# Altium PCB GE21_M1_pku_f100.PcbDoc (part 5 of 19)
Units mm, origin at the board's own origin, x right, y up, seen from the top; angles counter-clockwise.
Board outline 423.9 x 668.59 mm, 8 copper layers (Top Layer, Signal 1, DGNG1, POWER, AGND, DGND2, Signal 2, Bottom Layer), stack 1.03 mm thick; 171 components, 336 nets, 2040 pads, 4872 vias.
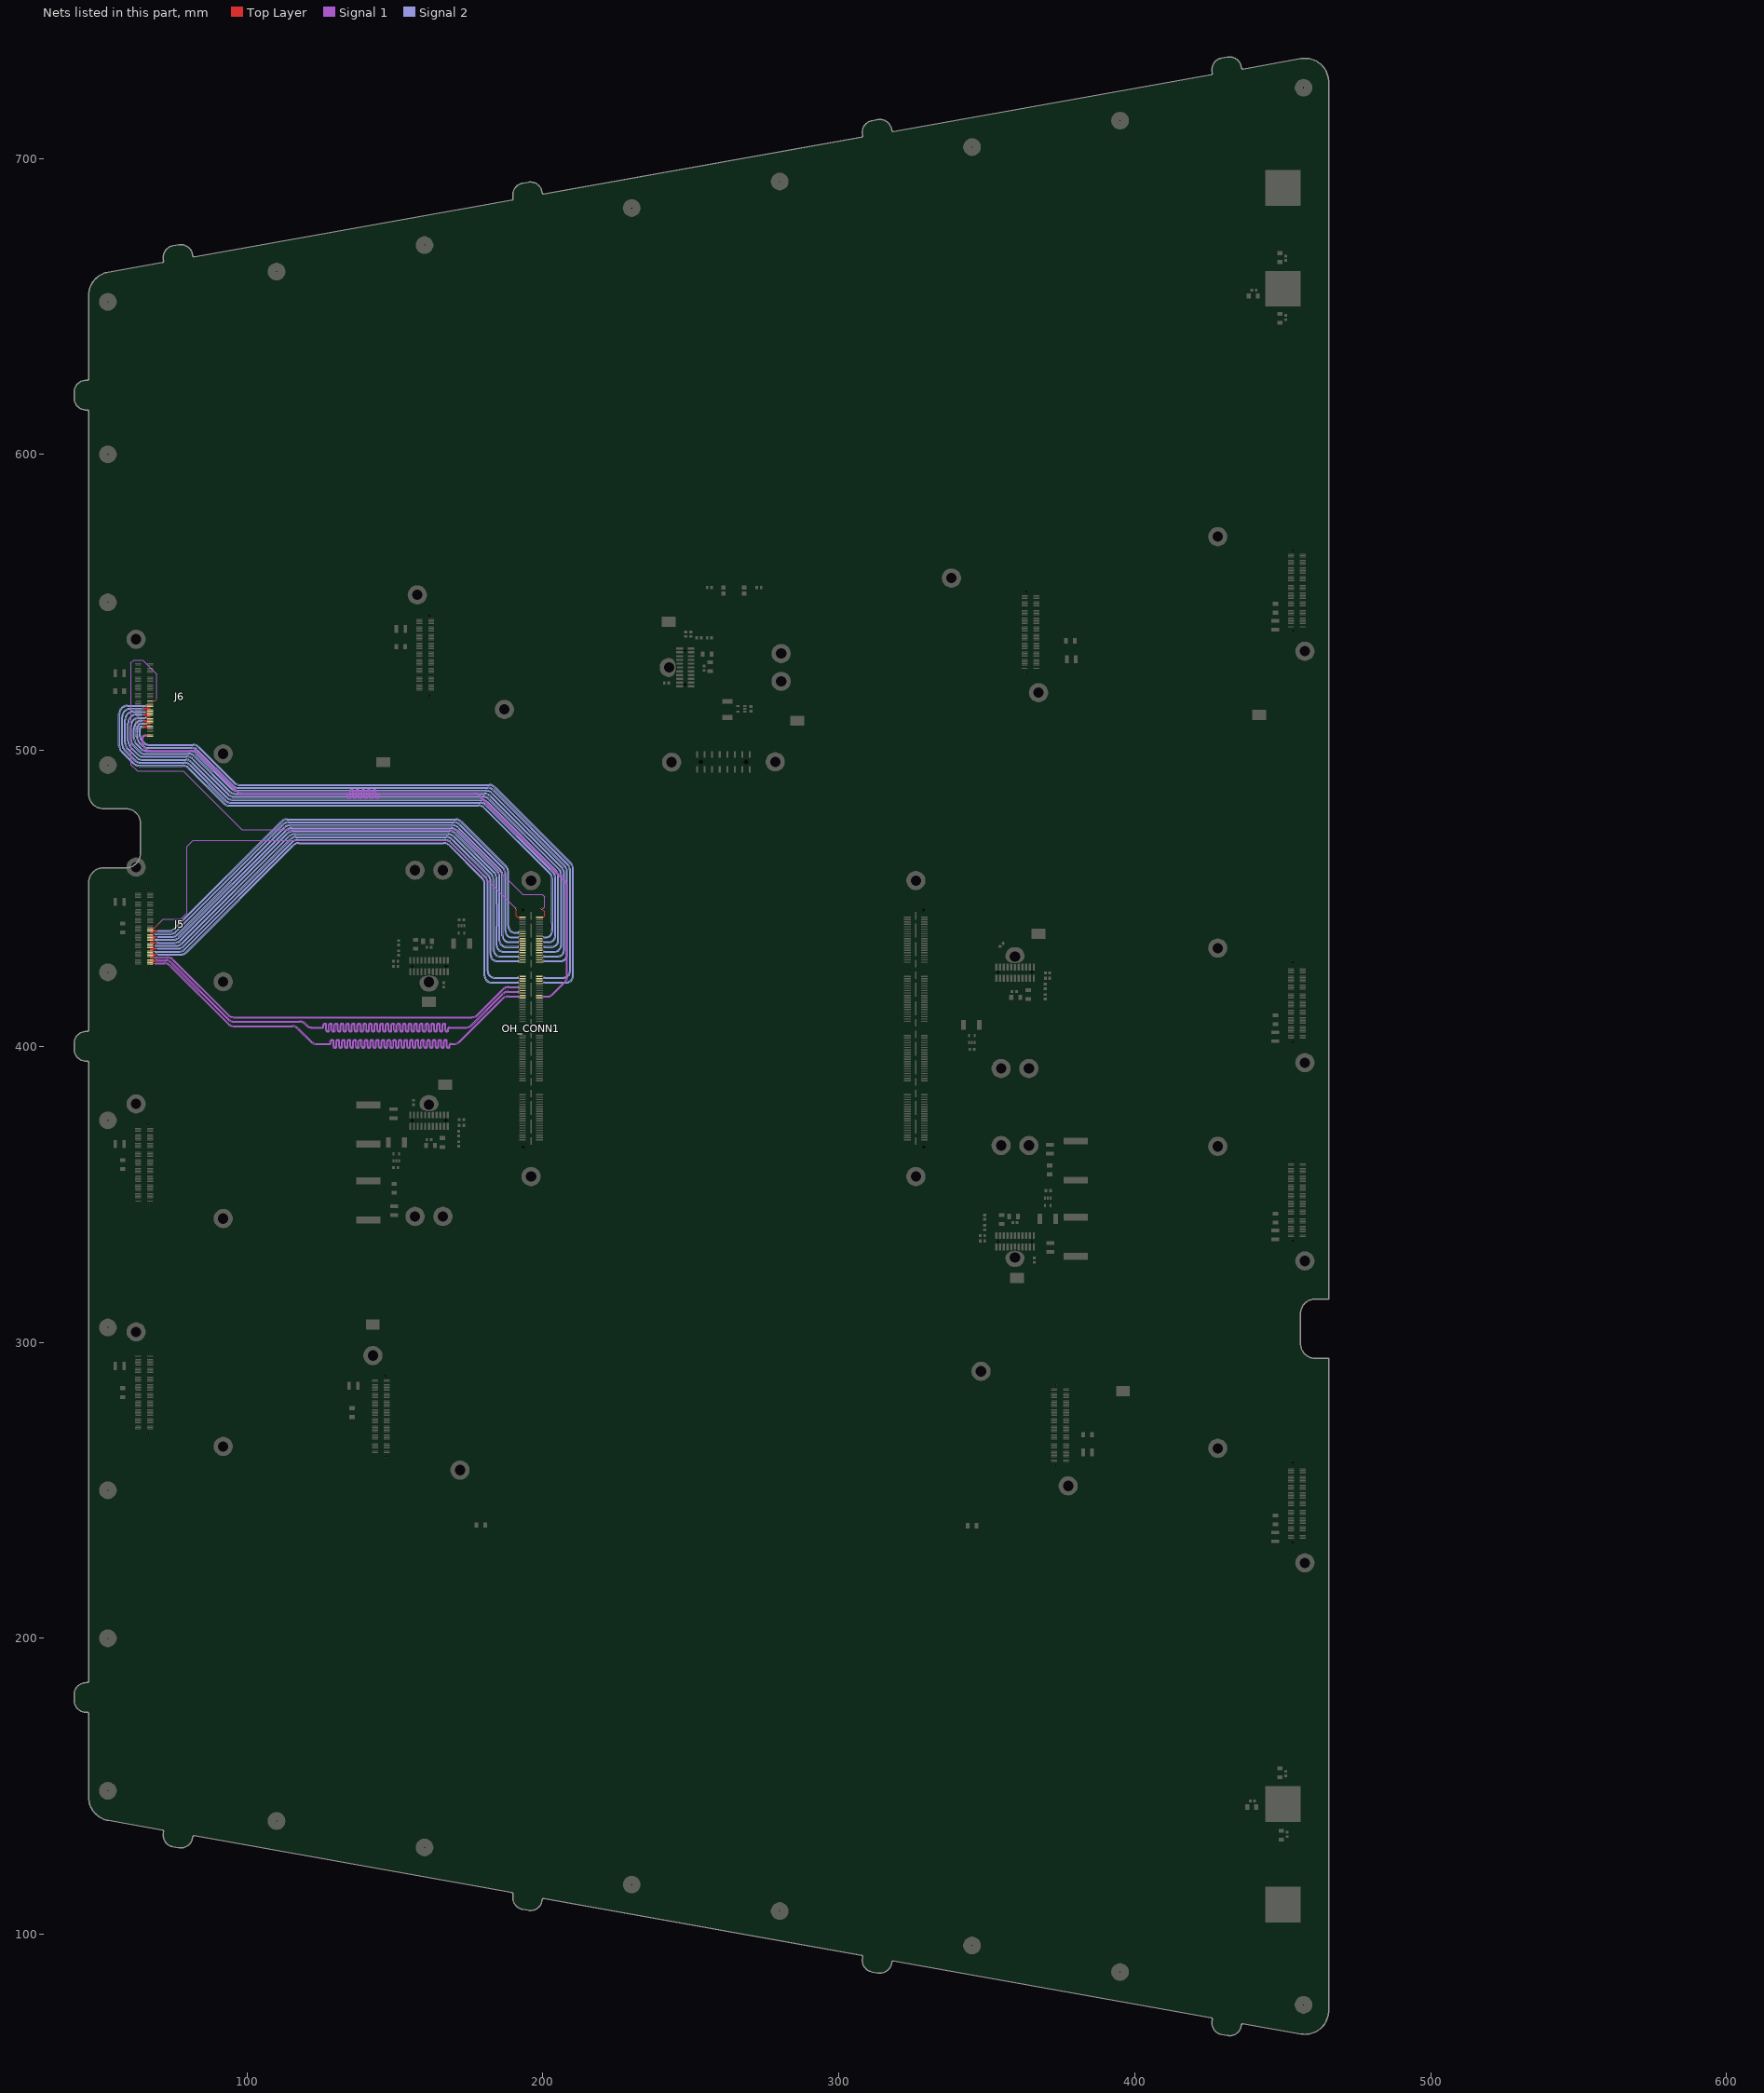
[diagram p11: the nets of this part, all layers, seen from the top]

## Via types
v1: diameter 0.508, hole 0.203, Top Layer to Bottom Layer, tented both sides, 1688 vias
v2: diameter 0.402/0.402/0.402/0.201 (per signal layer), hole 0.201, Top Layer to Bottom Layer, tented both sides, 1040 vias
v3: diameter 0.507, hole 0.202, Top Layer to Bottom Layer, tented both sides, 780 vias
v4: diameter 0.4, hole 0, Top Layer to Bottom Layer, tented both sides, 438 vias
v5: diameter 0.4, hole 0.2, Top Layer to Bottom Layer, tented both sides, 288 vias
v6: diameter 0.51, hole 0.204, Top Layer to Bottom Layer, tented both sides, 288 vias
v7: diameter 0.6/0.4/0.4/0.4 (per signal layer), hole 0.3, Top Layer to Bottom Layer, tented both sides, 254 vias
v8: diameter 0.402, hole 0.201, Top Layer to Bottom Layer, tented both sides, 96 vias

## Nets (pads, with @x,y where several pads share a name; then routed paths per layer and width w, separated by ;. In a path a pad name is that pad's centre, name@x,y a point inside that pad or via, vN(x,y) a via of type N, cw(c..) or ccw(c..) an arc to the next point about the centre after c; other vN are vias at no path point) (continued)
J5CLK_N: J5.100 OH_CONN1.60 | length 234.6
  Top Layer w0.115: v4@68.45,427.75 v5(68.5,427.7)
  Top Layer w0.25: J5.100@67.25,427.75 v4@68.45,427.75
  Signal 1 w0.115: v5(68.5,427.7) cw(c68.802,427.398) 68.802,427.825 72.123,427.825 cw(c72.123,425.285) 73.919,427.081 93.504,407.496 ccw(c95.547,409.54) 95.547,406.65 115.298,406.65 cw(c115.298,404.11) 117.094,405.906 121.504,401.496 ccw(c123.547,403.54) 123.547,400.65 127.902,400.65 ccw(c127.902,401.208) 128.46,401.208 128.46,401.712 cw(c128.668,401.712) 128.668,401.92 128.86,401.92 cw(c128.86,401.712) 129.068,401.712 129.068,399.938 ccw(c129.626,399.938) 129.626,399.38 129.818,399.38 ccw(c129.818,399.938) 130.376,399.938 130.376,401.712 cw(c130.584,401.712) 130.584,401.92 130.776,401.92 cw(c130.776,401.712) 130.984,401.712 130.984,399.938 ccw(c131.542,399.938) 131.542,399.38 131.734,399.38 ccw(c131.734,399.938) 132.292,399.938 132.292,401.712 cw(c132.5,401.712) 132.5,401.92 132.692,401.92 cw(c132.692,401.712) 132.9,401.712 132.9,399.938 ccw(c133.458,399.938) 133.458,399.38 133.65,399.38 ccw(c133.65,399.938) 134.208,399.938 134.208,401.712 cw(c134.416,401.712) 134.416,401.92 134.608,401.92 cw(c134.608,401.712) 134.816,401.712 134.816,399.938 ccw(c135.374,399.938) 135.374,399.38 135.566,399.38 ccw(c135.566,399.938) 136.124,399.938 136.124,401.712 cw(c136.332,401.712) 136.332,401.92 136.524,401.92 cw(c136.524,401.712) 136.732,401.712 136.732,399.938 ccw(c137.29,399.938) 137.29,399.38 137.482,399.38 ccw(c137.482,399.938) 138.04,399.938 138.04,401.712 cw(c138.248,401.712) 138.248,401.92 138.44,401.92 cw(c138.44,401.712) 138.648,401.712 138.648,399.938 ccw(c139.206,399.938) 139.206,399.38 139.398,399.38 ccw(c139.398,399.938) 139.956,399.938 139.956,401.712 cw(c140.164,401.712) 140.164,401.92 140.356,401.92 cw(c140.356,401.712) 140.564,401.712 140.564,399.938 ccw(c141.122,399.938) 141.122,399.38 141.314,399.38 ccw(c141.314,399.938) 141.872,399.938 141.872,401.712 cw(c142.08,401.712) 142.08,401.92 142.272,401.92 cw(c142.272,401.712) 142.48,401.712 142.48,399.938 ccw(c143.038,399.938) 143.038,399.38 143.23,399.38 ccw(c143.23,399.938) 143.788,399.938 143.788,401.712 cw(c143.996,401.712) 143.996,401.92 144.188,401.92 cw(c144.188,401.712) 144.396,401.712 144.396,399.938 ccw(c144.954,399.938) 144.954,399.38 145.146,399.38 ccw(c145.146,399.938) 145.704,399.938 145.704,401.712 cw(c145.912,401.712) 145.912,401.92 146.104,401.92 cw(c146.104,401.712) 146.312,401.712 146.312,399.938 ccw(c146.87,399.938) 146.87,399.38 147.062,399.38 ccw(c147.062,399.938) 147.62,399.938 147.62,401.712 cw(c147.828,401.712) 147.828,401.92 148.02,401.92 cw(c148.02,401.712) 148.228,401.712 148.228,399.938 ccw(c148.786,399.938) 148.786,399.38 148.978,399.38 ccw(c148.978,399.938) 149.536,399.938 149.536,401.712 cw(c149.744,401.712) 149.744,401.92 149.936,401.92 cw(c149.936,401.712) 150.144,401.712 150.144,399.938 ccw(c150.702,399.938) 150.702,399.38 150.894,399.38 ccw(c150.894,399.938) 151.452,399.938 151.452,401.712 cw(c151.66,401.712) 151.66,401.92 151.852,401.92 cw(c151.852,401.712) 152.06,401.712 152.06,399.938 ccw(c152.618,399.938) 152.618,399.38 152.81,399.38 ccw(c152.81,399.938) 153.368,399.938 153.368,401.712 cw(c153.576,401.712) 153.576,401.92 153.768,401.92 cw(c153.768,401.712) 153.976,401.712 153.976,399.938 ccw(c154.534,399.938) 154.534,399.38 154.726,399.38 ccw(c154.726,399.938) 155.284,399.938 155.284,401.712 cw(c155.492,401.712) 155.492,401.92 155.684,401.92 cw(c155.684,401.712) 155.892,401.712 155.892,399.938 ccw(c156.45,399.938) 156.45,399.38 156.642,399.38 ccw(c156.642,399.938) 157.2,399.938 157.2,401.712 cw(c157.408,401.712) 157.408,401.92 157.6,401.92 cw(c157.6,401.712) 157.808,401.712 157.808,399.938 ccw(c158.366,399.938) 158.366,399.38 158.558,399.38 ccw(c158.558,399.938) 159.116,399.938 159.116,401.712 cw(c159.324,401.712) 159.324,401.92 159.516,401.92 cw(c159.516,401.712) 159.724,401.712 159.724,399.938 ccw(c160.282,399.938) 160.282,399.38 160.474,399.38 ccw(c160.474,399.938) 161.032,399.938 161.032,401.712 cw(c161.24,401.712) 161.24,401.92 161.432,401.92 cw(c161.432,401.712) 161.64,401.712 161.64,399.938 ccw(c162.198,399.938) 162.198,399.38 162.39,399.38 ccw(c162.39,399.938) 162.948,399.938 162.948,401.712 cw(c163.156,401.712) 163.156,401.92 163.348,401.92 cw(c163.348,401.712) 163.556,401.712 163.556,399.938 ccw(c164.114,399.938) 164.114,399.38 164.306,399.38 ccw(c164.306,399.938) 164.864,399.938 164.864,401.712 cw(c165.072,401.712) 165.072,401.92 165.264,401.92 cw(c165.264,401.712) 165.472,401.712 165.472,399.938 ccw(c166.03,399.938) 166.03,399.38 166.222,399.38 ccw(c166.222,399.938) 166.78,399.938 166.78,401.712 cw(c166.988,401.712) 166.988,401.92 167.18,401.92 cw(c167.18,401.712) 167.388,401.712 167.388,399.938 ccw(c167.946,399.938) 167.946,399.38 168.138,399.38 ccw(c168.138,399.938) 168.696,399.938 168.696,400.442 cw(c168.904,400.442) 168.904,400.65 169.948,400.65 ccw(c169.948,403.54) 171.991,401.496 186.376,415.881 cw(c188.172,414.085) 188.172,416.625 191.457,416.625 cw(c191.457,415.857) v6(192,416.4)
  other v4: 68.57,427.7
J5CLK_P: J5.98 OH_CONN1.58 | length 234.6
  Top Layer w0.115: v4@68.45,428.25 v5(68.5,428.3)
  Top Layer w0.25: J5.98@67.25,428.25 v4@68.45,428.25
  Signal 1 w0.115: v5(68.5,428.3) ccw(c68.802,428.602) 68.802,428.175 72.123,428.175 cw(c72.123,425.285) 74.166,427.329 93.751,407.744 ccw(c95.547,409.54) 95.547,407 115.298,407 cw(c115.298,404.11) 117.341,406.154 121.751,401.744 ccw(c123.547,403.54) 123.547,401 125,401 127.902,401 ccw(c127.902,401.208) 128.11,401.208 128.11,401.712 cw(c128.668,401.712) 128.668,402.27 128.86,402.27 cw(c128.86,401.712) 129.418,401.712 129.418,399.938 ccw(c129.626,399.938) 129.626,399.73 129.818,399.73 ccw(c129.818,399.938) 130.026,399.938 130.026,401.712 cw(c130.584,401.712) 130.584,402.27 130.776,402.27 cw(c130.776,401.712) 131.334,401.712 131.334,399.938 ccw(c131.542,399.938) 131.542,399.73 131.734,399.73 ccw(c131.734,399.938) 131.942,399.938 131.942,401.712 cw(c132.5,401.712) 132.5,402.27 132.692,402.27 cw(c132.692,401.712) 133.25,401.712 133.25,399.938 ccw(c133.458,399.938) 133.458,399.73 133.65,399.73 ccw(c133.65,399.938) 133.858,399.938 133.858,401.712 cw(c134.416,401.712) 134.416,402.27 134.608,402.27 cw(c134.608,401.712) 135.166,401.712 135.166,399.938 ccw(c135.374,399.938) 135.374,399.73 135.566,399.73 ccw(c135.566,399.938) 135.774,399.938 135.774,401.712 cw(c136.332,401.712) 136.332,402.27 136.524,402.27 cw(c136.524,401.712) 137.082,401.712 137.082,399.938 ccw(c137.29,399.938) 137.29,399.73 137.482,399.73 ccw(c137.482,399.938) 137.69,399.938 137.69,401.712 cw(c138.248,401.712) 138.248,402.27 138.44,402.27 cw(c138.44,401.712) 138.998,401.712 138.998,399.938 ccw(c139.206,399.938) 139.206,399.73 139.398,399.73 ccw(c139.398,399.938) 139.606,399.938 139.606,401.712 cw(c140.164,401.712) 140.164,402.27 140.356,402.27 cw(c140.356,401.712) 140.914,401.712 140.914,399.938 ccw(c141.122,399.938) 141.122,399.73 141.314,399.73 ccw(c141.314,399.938) 141.522,399.938 141.522,401.712 cw(c142.08,401.712) 142.08,402.27 142.272,402.27 cw(c142.272,401.712) 142.83,401.712 142.83,399.938 ccw(c143.038,399.938) 143.038,399.73 143.23,399.73 ccw(c143.23,399.938) 143.438,399.938 143.438,401.712 cw(c143.996,401.712) 143.996,402.27 144.188,402.27 cw(c144.188,401.712) 144.746,401.712 144.746,399.938 ccw(c144.954,399.938) 144.954,399.73 145.146,399.73 ccw(c145.146,399.938) 145.354,399.938 145.354,401.712 cw(c145.912,401.712) 145.912,402.27 146.104,402.27 cw(c146.104,401.712) 146.662,401.712 146.662,399.938 ccw(c146.87,399.938) 146.87,399.73 147.062,399.73 ccw(c147.062,399.938) 147.27,399.938 147.27,401.712 cw(c147.828,401.712) 147.828,402.27 148.02,402.27 cw(c148.02,401.712) 148.578,401.712 148.578,399.938 ccw(c148.786,399.938) 148.786,399.73 148.978,399.73 ccw(c148.978,399.938) 149.186,399.938 149.186,401.712 cw(c149.744,401.712) 149.744,402.27 149.936,402.27 cw(c149.936,401.712) 150.494,401.712 150.494,399.938 ccw(c150.702,399.938) 150.702,399.73 150.894,399.73 ccw(c150.894,399.938) 151.102,399.938 151.102,401.712 cw(c151.66,401.712) 151.66,402.27 151.852,402.27 cw(c151.852,401.712) 152.41,401.712 152.41,399.938 ccw(c152.618,399.938) 152.618,399.73 152.81,399.73 ccw(c152.81,399.938) 153.018,399.938 153.018,401.712 cw(c153.576,401.712) 153.576,402.27 153.768,402.27 cw(c153.768,401.712) 154.326,401.712 154.326,399.938 ccw(c154.534,399.938) 154.534,399.73 154.726,399.73 ccw(c154.726,399.938) 154.934,399.938 154.934,401.712 cw(c155.492,401.712) 155.492,402.27 155.684,402.27 cw(c155.684,401.712) 156.242,401.712 156.242,399.938 ccw(c156.45,399.938) 156.45,399.73 156.642,399.73 ccw(c156.642,399.938) 156.85,399.938 156.85,401.712 cw(c157.408,401.712) 157.408,402.27 157.6,402.27 cw(c157.6,401.712) 158.158,401.712 158.158,399.938 ccw(c158.366,399.938) 158.366,399.73 158.558,399.73 ccw(c158.558,399.938) 158.766,399.938 158.766,401.712 cw(c159.324,401.712) 159.324,402.27 159.516,402.27 cw(c159.516,401.712) 160.074,401.712 160.074,399.938 ccw(c160.282,399.938) 160.282,399.73 160.474,399.73 ccw(c160.474,399.938) 160.682,399.938 160.682,401.712 cw(c161.24,401.712) 161.24,402.27 161.432,402.27 cw(c161.432,401.712) 161.99,401.712 161.99,399.938 ccw(c162.198,399.938) 162.198,399.73 162.39,399.73 ccw(c162.39,399.938) 162.598,399.938 162.598,401.712 cw(c163.156,401.712) 163.156,402.27 163.348,402.27 cw(c163.348,401.712) 163.906,401.712 163.906,399.938 ccw(c164.114,399.938) 164.114,399.73 164.306,399.73 ccw(c164.306,399.938) 164.514,399.938 164.514,401.712 cw(c165.072,401.712) 165.072,402.27 165.264,402.27 cw(c165.264,401.712) 165.822,401.712 165.822,399.938 ccw(c166.03,399.938) 166.03,399.73 166.222,399.73 ccw(c166.222,399.938) 166.43,399.938 166.43,401.712 cw(c166.988,401.712) 166.988,402.27 167.18,402.27 cw(c167.18,401.712) 167.738,401.712 167.738,399.938 ccw(c167.946,399.938) 167.946,399.73 168.138,399.73 ccw(c168.138,399.938) 168.346,399.938 168.346,400.442 cw(c168.904,400.442) 168.904,401 169.948,401 ccw(c169.948,403.54) 171.744,401.744 186.129,416.129 cw(c188.172,414.085) 188.172,416.975 191.457,416.975 ccw(c191.457,417.743) v6(192,417.2)
  other v4: 68.57,428.3
J5D1_N: J5.60 OH_CONN1.20 | length 168.4
  Top Layer w0.115: v4@68.45,437.75 v5(68.5,437.7)
  Top Layer w0.25: J5.60@67.25,437.75 v4@68.45,437.75
  Signal 2 w0.115: v5(68.5,437.7) cw(c68.802,437.398) 68.802,437.825 74.128,437.825 ccw(c74.128,440.715) 76.171,438.671 104.5,467 112.256,474.756 cw(c114.052,472.96) 114.052,475.5 169.948,475.5 cw(c169.948,472.96) 171.744,474.756 186.406,460.094 cw(c184.61,458.298) 187.15,458.298 187.15,438.975 ccw(c189.5,438.975) 189.5,436.625 191.457,436.625 cw(c191.457,435.857) v6(192,436.4)
  other v4: 68.57,437.7
J5D1_P: J5.58 OH_CONN1.18 | length 168.4
  Top Layer w0.115: v4@68.45,438.25 v5(68.5,438.3)
  Top Layer w0.25: J5.58@67.25,438.25 v4@68.45,438.25
  Signal 2 w0.115: v5(68.5,438.3) ccw(c68.802,438.602) 68.802,438.175 74.128,438.175 ccw(c74.128,440.715) 75.924,438.919 104.253,467.247 112.009,475.004 cw(c114.052,472.96) 114.052,475.85 169.948,475.85 cw(c169.948,472.96) 171.991,475.004 186.654,460.341 cw(c184.61,458.298) 187.5,458.298 187.5,438.975 ccw(c189.5,438.975) 189.5,436.975 191.457,436.975 ccw(c191.457,437.743) v6(192,437.2)
  other v4: 68.57,438.3
J5D2_N: J5.64 OH_CONN1.24 | length 169.4
  Top Layer w0.115: J5.64@67.25,436.75 68.3,436.75 68.375,436.825 69.198,436.825 cw(c69.198,436.398) v5(69.5,436.7)
  Signal 2 w0.115: v5(69.5,436.7) cw(c69.802,436.398) 69.802,436.825 74.628,436.825 ccw(c74.628,439.715) 76.671,437.671 112.756,473.756 cw(c114.552,471.96) 114.552,474.5 169.448,474.5 cw(c169.448,471.96) 171.244,473.756 185.406,459.594 cw(c183.61,457.798) 186.15,457.798 186.15,437.375 ccw(c188.5,437.375) 188.5,435.025 191.457,435.025 cw(c191.457,434.257) v6(192,434.8)
  other v4: 69.43,436.7 69.57,436.7
J5D2_P: J5.62 OH_CONN1.22 | length 169.4
  Top Layer w0.115: J5.62@67.25,437.25 68.3,437.25 68.375,437.175 69.198,437.175 ccw(c69.198,437.602) v5(69.5,437.3)
  Signal 2 w0.115: v5(69.5,437.3) ccw(c69.802,437.602) 69.802,437.175 74.628,437.175 ccw(c74.628,439.715) 76.424,437.919 112.509,474.004 cw(c114.552,471.96) 114.552,474.85 169.448,474.85 cw(c169.448,471.96) 171.491,474.004 185.654,459.841 cw(c183.61,457.798) 186.5,457.798 186.5,437.375 ccw(c188.5,437.375) 188.5,435.375 191.457,435.375 ccw(c191.457,436.143) v6(192,435.6)
  other v4: 69.43,437.3 69.57,437.3
J5D3_N: J5.68 OH_CONN1.28 | length 170.2
  Top Layer w0.115: v4@68.45,435.75 v5(68.5,435.7)
  Top Layer w0.25: J5.68@67.25,435.75 v4@68.45,435.75
  Signal 2 w0.115: v4@68.5,435.7 cw(c68.802,435.398) 68.802,435.825 75.128,435.825 ccw(c75.128,438.715) 77.171,436.671 113.256,472.756 cw(c115.052,470.96) 115.052,473.5 118,473.5 165.5,473.5 168.948,473.5 cw(c168.948,470.96) 170.744,472.756 184.406,459.094 cw(c182.61,457.298) 185.15,457.298 185.15,435.775 ccw(c187.5,435.775) 187.5,433.425 191.457,433.425 cw(c191.457,432.657) v6(192,433.2)
  other v4: 68.57,435.7
J5D3_P: J5.66 OH_CONN1.26 | length 170.2
  Top Layer w0.115: v4@68.45,436.25 v5(68.5,436.3)
  Top Layer w0.25: J5.66@67.25,436.25 v4@68.45,436.25
  Signal 2 w0.115: v5(68.5,436.3) ccw(c68.802,436.602) 68.802,436.175 75.128,436.175 ccw(c75.128,438.715) 76.924,436.919 113.009,473.004 cw(c115.052,470.96) 115.052,473.85 168.948,473.85 cw(c168.948,470.96) 170.991,473.004 184.654,459.341 cw(c182.61,457.298) 185.5,457.298 185.5,435.775 ccw(c187.5,435.775) 187.5,433.775 191.457,433.775 ccw(c191.457,434.543) v6(192,434)
  other v4: 68.57,436.3
J5D4_N: J5.72 OH_CONN1.32 | length 171.1
  Top Layer w0.115: J5.72@67.25,434.75 68.3,434.75 68.375,434.825 69.198,434.825 cw(c69.198,434.398) v5(69.5,434.7)
  Signal 2 w0.115: v5(69.5,434.7) cw(c69.802,434.398) 69.802,434.825 75.628,434.825 ccw(c75.628,437.715) 77.671,435.671 113.756,471.756 cw(c115.552,469.96) 115.552,472.5 168.448,472.5 cw(c168.448,469.96) 170.244,471.756 183.406,458.594 cw(c181.61,456.798) 184.15,456.798 184.15,448 184.15,440.5 184.15,434.175 ccw(c186.5,434.175) 186.5,431.825 191.457,431.825 cw(c191.457,431.057) v6(192,431.6)
  other v4: 69.43,434.7 69.57,434.7
J5D4_P: J5.70 OH_CONN1.30 | length 171.1
  Top Layer w0.115: J5.70@67.25,435.25 68.3,435.25 68.375,435.175 69.198,435.175 ccw(c69.198,435.602) v5(69.5,435.3)
  Signal 2 w0.115: v5(69.5,435.3) ccw(c69.802,435.602) 69.802,435.175 75.628,435.175 ccw(c75.628,437.715) 77.424,435.919 113.509,472.004 cw(c115.552,469.96) 115.552,472.85 168.448,472.85 cw(c168.448,469.96) 170.491,472.004 183.654,458.841 cw(c181.61,456.798) 184.5,456.798 184.5,448 184.5,440.5 184.5,434.175 ccw(c186.5,434.175) 186.5,432.175 191.457,432.175 ccw(c191.457,432.943) v6(192,432.4)
  other v4: 69.43,435.3 69.57,435.3
J5D5_N: J5.76 OH_CONN1.36 | length 172.9
  Top Layer w0.115: v4@68.45,433.75 v5(68.5,433.7)
  Top Layer w0.25: J5.76@67.25,433.75 v4@68.45,433.75
  Signal 2 w0.115: v5(68.5,433.7) cw(c68.802,433.398) 68.802,433.825 76.128,433.825 ccw(c76.128,436.715) 78.171,434.671 114.256,470.756 cw(c116.052,468.96) 116.052,471.5 167.948,471.5 cw(c167.948,468.96) 169.744,470.756 182.406,458.094 cw(c180.61,456.298) 183.15,456.298 183.15,432.575 ccw(c185.5,432.575) 185.5,430.225 189.375,430.225 ; 188.5,430.225 191.457,430.225 cw(c191.457,429.457) v6(192,430)
  other v4: 68.57,433.7
J5D5_P: J5.74 OH_CONN1.34 | length 172.9
  Top Layer w0.115: v4@68.45,434.25 v5(68.5,434.3)
  Top Layer w0.25: J5.74@67.25,434.25 v4@68.45,434.25
  Signal 2 w0.115: v5(68.5,434.3) ccw(c68.802,434.602) 68.802,434.175 76.128,434.175 ccw(c76.128,436.715) 77.924,434.919 114.009,471.004 cw(c116.052,468.96) 116.052,471.85 167.948,471.85 cw(c167.948,468.96) 169.991,471.004 182.654,458.341 cw(c180.61,456.298) 183.5,456.298 183.5,432.575 ccw(c185.5,432.575) 185.5,430.575 189.375,430.575 ; 188.5,430.575 191.457,430.575 ccw(c191.457,431.343) v6(192,430.8)
  other v4: 68.57,434.3
J5D6_N: J5.80 OH_CONN1.40 | length 172.9
  Top Layer w0.115: J5.80@67.25,432.75 68.3,432.75 68.375,432.825 69.198,432.825 cw(c69.198,432.398) v5(69.5,432.7)
  Signal 2 w0.115: v5(69.5,432.7) cw(c69.802,432.398) 69.802,432.825 76.628,432.825 ccw(c76.628,435.715) 78.671,433.671 114.756,469.756 cw(c116.552,467.96) 116.552,470.5 167.448,470.5 cw(c167.448,467.96) 169.244,469.756 180.5,458.5 181.406,457.594 cw(c179.61,455.798) 182.15,455.798 182.15,430.975 ccw(c184.5,430.975) 184.5,428.625 191.457,428.625 cw(c191.457,427.857) v6(192,428.4)
  other v4: 69.43,432.7 69.57,432.7
J5D6_P: J5.78 OH_CONN1.38 | length 172.9
  Top Layer w0.115: J5.78@67.25,433.25 68.3,433.25 68.375,433.175 69.198,433.175 ccw(c69.198,433.602) v5(69.5,433.3)
  Signal 2 w0.115: v5(69.5,433.3) ccw(c69.802,433.602) 69.802,433.175 76.628,433.175 ccw(c76.628,435.715) 78.424,433.919 114.509,470.004 cw(c116.552,467.96) 116.552,470.85 167.448,470.85 cw(c167.448,467.96) 169.491,470.004 181.654,457.841 cw(c179.61,455.798) 182.5,455.798 182.5,430.975 ccw(c184.5,430.975) 184.5,428.975 191.457,428.975 ccw(c191.457,429.743) v6(192,429.2)
  other v4: 69.43,433.3 69.57,433.3
J5D7_N: J5.84 OH_CONN1.44 | length 177.8
  Top Layer w0.115: v4@68.45,431.75 v5(68.5,431.7)
  Top Layer w0.25: J5.84@67.25,431.75 v4@68.45,431.75
  Signal 2 w0.115: v5(68.5,431.7) cw(c68.802,431.398) 68.802,431.825 77.128,431.825 ccw(c77.128,434.715) 79.171,432.671 115.256,468.756 cw(c117.052,466.96) 117.052,469.5 166.948,469.5 cw(c166.948,466.96) 168.744,468.756 180.406,457.094 cw(c178.61,455.298) 181.15,455.298 181.15,425.375 ccw(c183.5,425.375) 183.5,423.025 191.457,423.025 cw(c191.457,422.257) v6(192,422.8)
  other v4: 68.57,431.7
J5D7_P: J5.82 OH_CONN1.42 | length 177.8
  Top Layer w0.115: v4@68.45,432.25 v5(68.5,432.3)
  Top Layer w0.25: J5.82@67.25,432.25 v4@68.45,432.25
  Signal 2 w0.115: v5(68.5,432.3) ccw(c68.802,432.602) 68.802,432.175 77.128,432.175 ccw(c77.128,434.715) 78.924,432.919 115.009,469.004 cw(c117.052,466.96) 117.052,469.85 166.948,469.85 cw(c166.948,466.96) 168.991,469.004 180.654,457.341 cw(c178.61,455.298) 181.5,455.298 181.5,425.375 ccw(c183.5,425.375) 183.5,423.375 191.457,423.375 ccw(c191.457,424.143) v6(192,423.6)
  other v4: 68.57,432.3
J5D8_N: J5.88 OH_CONN1.48 | length 178.7
  Top Layer w0.115: J5.88@67.25,430.75 68.3,430.75 68.375,430.825 69.198,430.825 cw(c69.198,430.398) v5(69.5,430.7)
  Signal 2 w0.115: v5(69.5,430.7) cw(c69.802,430.398) 69.802,430.825 77.628,430.825 ccw(c77.628,433.715) 79.671,431.671 115.756,467.756 cw(c117.552,465.96) 117.552,468.5 166.448,468.5 cw(c166.448,465.96) 168.244,467.756 179.406,456.594 cw(c177.61,454.798) 180.15,454.798 180.15,423.775 ccw(c182.5,423.775) 182.5,421.425 191.457,421.425 cw(c191.457,420.657) v6(192,421.2)
  other v4: 69.43,430.7 69.57,430.7
J5D8_P: J5.86 OH_CONN1.46 | length 178.7
  Top Layer w0.115: J5.86@67.25,431.25 68.3,431.25 68.375,431.175 69.198,431.175 ccw(c69.198,431.602) v5(69.5,431.3)
  Signal 2 w0.115: v5(69.5,431.3) ccw(c69.802,431.602) 69.802,431.175 77.628,431.175 ccw(c77.628,433.715) 79.424,431.919 115.509,468.004 cw(c117.552,465.96) 117.552,468.85 166.448,468.85 cw(c166.448,465.96) 168.491,468.004 179.654,456.841 cw(c177.61,454.798) 180.5,454.798 180.5,423.775 ccw(c182.5,423.775) 182.5,421.775 191.457,421.775 ccw(c191.457,422.543) v6(192,422)